# Altium PCB Shuttler_AMC.PcbDoc (part 2 of 12) (continued)
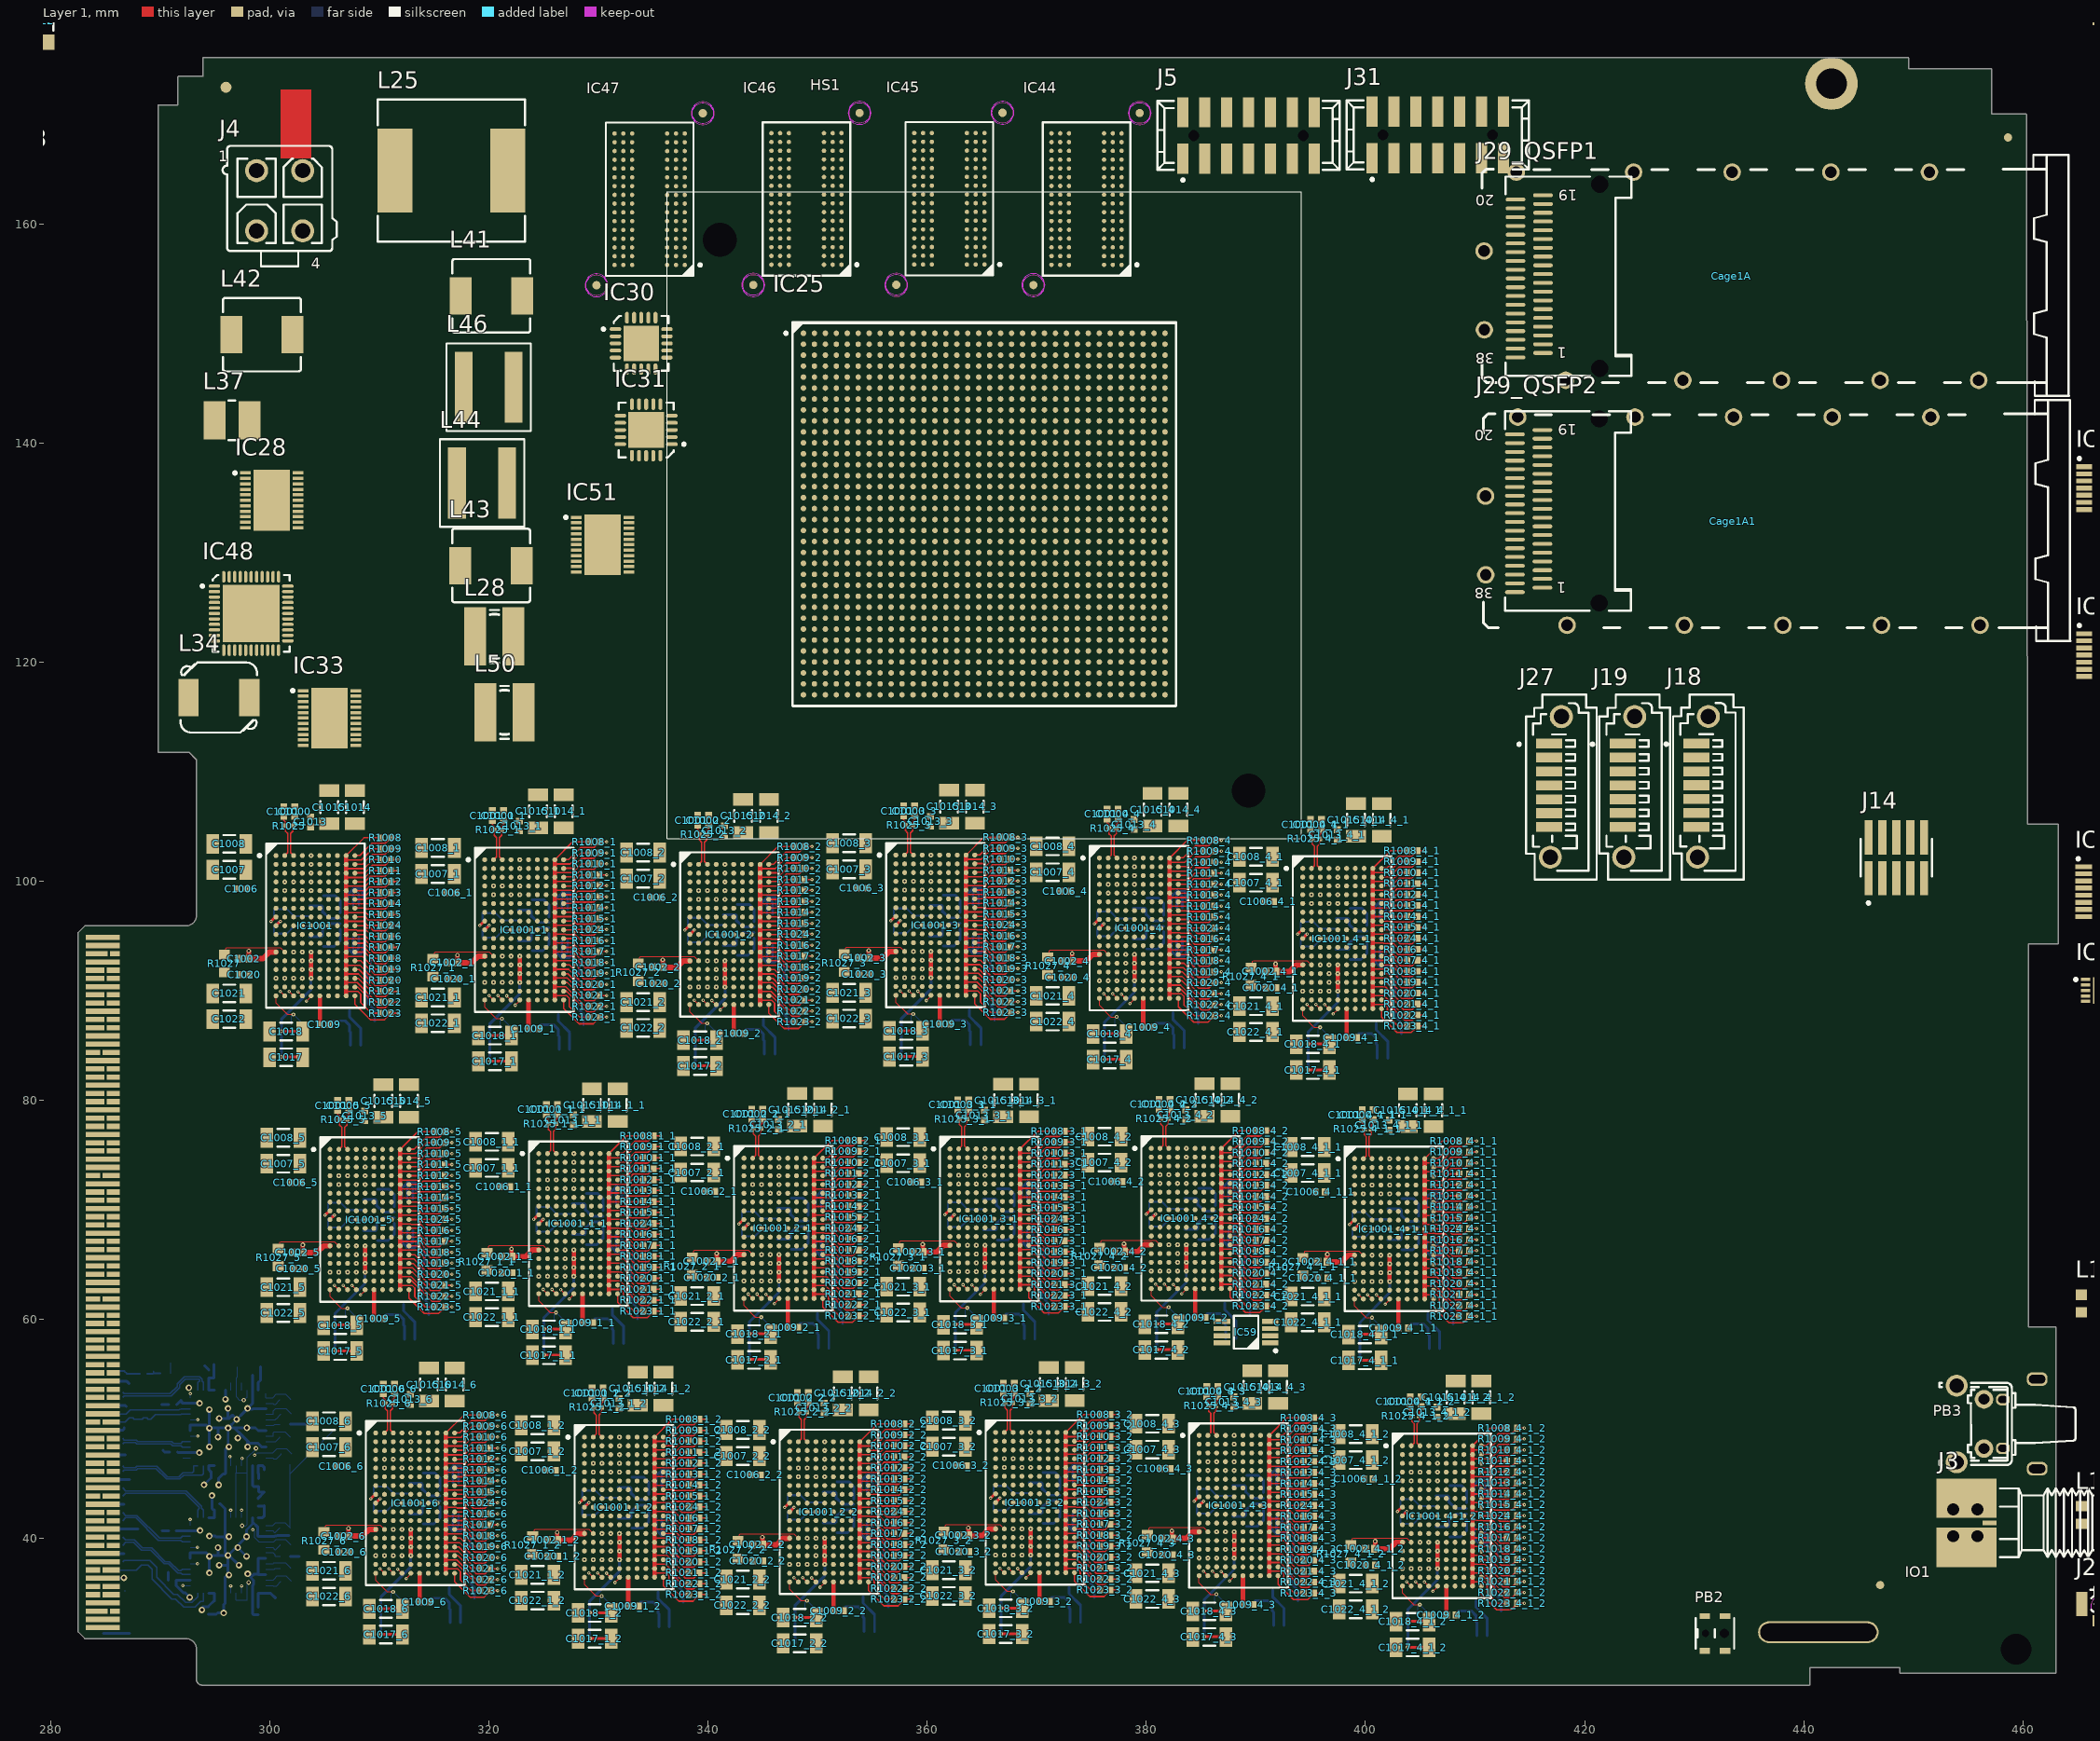
[diagram p0: Layer 1 view]
## Components (designator, comment, footprint, x,y, rotation, side; value= is the part's Value field where it differs from the comment)
C27 "Comment" CAPC0603X33N 298.801,54.909 r180 bottom
C28 "Comment" CAPC0603X33N 294.431,55.031 r90 bottom
C29 "Comment" CAPC0603X33N 291.139,52.237 r180 bottom
C30 "Comment" CAPC0603X33N 291.225,47.914 r180 bottom
C31 "Comment" CAPC0603X33N 294.982,45.526 r0 bottom
C32 "Comment" CAPC0603X33N 298.988,45.117 r270 bottom
C33 "Comment" CAPC0603X33N 298.932,43.304 r90 bottom
C34 "Comment" CAPC0603X33N 295.073,43.202 r0 bottom
C35 "Comment" CAPC0603X33N 291.117,40.725 r180 bottom
C36 "Comment" CAPC0603X33N 291.094,36.192 r180 bottom
C37 "Comment" CAPC0603X33N 298.957,33.407 r270 bottom
C38 "Comment" CAPC0603X33N 294.393,33.448 r270 bottom
C231 "Comment" CAPC0603X33N 288.474,55.067 r180 bottom
C1000 "100pF" CAPC1005X55N 302.275,106.372 r270 top
C1000_1 "100pF" CAPC1005X55N 321.325,105.997 r270 top (schematic designator C1000)
C1000_1_1 "100pF" CAPC1005X55N 326.256,79.175 r270 top (schematic designator C1000)
C1000_1_2 "100pF" CAPC1005X55N 330.425,53.297 r270 top (schematic designator C1000)
C1000_2 "100pF" CAPC1005X55N 340.05,105.572 r270 top (schematic designator C1000)
C1000_2_1 "100pF" CAPC1005X55N 344.981,78.75 r270 top (schematic designator C1000)
C1000_2_2 "100pF" CAPC1005X55N 349.15,52.872 r270 top (schematic designator C1000)
C1000_3 "100pF" CAPC1005X55N 358.85,106.422 r270 top (schematic designator C1000)
C1000_3_1 "100pF" CAPC1005X55N 363.781,79.6 r270 top (schematic designator C1000)
C1000_3_2 "100pF" CAPC1005X55N 367.95,53.722 r270 top (schematic designator C1000)
C1000_4 "100pF" CAPC1005X55N 377.425,106.147 r270 top (schematic designator C1000)
C1000_4_1 "100pF" CAPC1005X55N 395.981,105.2 r270 top (schematic designator C1000)
C1000_4_1_1 "100pF" CAPC1005X55N 400.712,78.7 r270 top (schematic designator C1000)
C1000_4_1_2 "100pF" CAPC1005X55N 405.081,52.5 r270 top (schematic designator C1000)
C1000_4_2 "100pF" CAPC1005X55N 382.156,79.647 r270 top (schematic designator C1000)
C1000_4_3 "100pF" CAPC1005X55N 386.525,53.447 r270 top (schematic designator C1000)
C1000_5 "100pF" CAPC1005X55N 307.206,79.55 r270 top (schematic designator C1000)
C1000_6 "100pF" CAPC1005X55N 311.375,53.672 r270 top (schematic designator C1000)
C1001 "100pF" CAPC1005X55N 301.275,106.372 r270 top
C1001_1 "100pF" CAPC1005X55N 320.325,105.997 r270 top (schematic designator C1001)
C1001_1_1 "100pF" CAPC1005X55N 325.256,79.175 r270 top (schematic designator C1001)
C1001_1_2 "100pF" CAPC1005X55N 329.425,53.297 r270 top (schematic designator C1001)
C1001_2 "100pF" CAPC1005X55N 339.05,105.572 r270 top (schematic designator C1001)
C1001_2_1 "100pF" CAPC1005X55N 343.981,78.75 r270 top (schematic designator C1001)
C1001_2_2 "100pF" CAPC1005X55N 348.15,52.872 r270 top (schematic designator C1001)
C1001_3 "100pF" CAPC1005X55N 357.85,106.422 r270 top (schematic designator C1001)
C1001_3_1 "100pF" CAPC1005X55N 362.781,79.6 r270 top (schematic designator C1001)
C1001_3_2 "100pF" CAPC1005X55N 366.95,53.722 r270 top (schematic designator C1001)
C1001_4 "100pF" CAPC1005X55N 376.425,106.147 r270 top (schematic designator C1001)
C1001_4_1 "100pF" CAPC1005X55N 394.981,105.2 r270 top (schematic designator C1001)
C1001_4_1_1 "100pF" CAPC1005X55N 399.712,78.7 r270 top (schematic designator C1001)
C1001_4_1_2 "100pF" CAPC1005X55N 404.081,52.5 r270 top (schematic designator C1001)
C1001_4_2 "100pF" CAPC1005X55N 381.156,79.647 r270 top (schematic designator C1001)
C1001_4_3 "100pF" CAPC1005X55N 385.525,53.447 r270 top (schematic designator C1001)
C1001_5 "100pF" CAPC1005X55N 306.206,79.55 r270 top (schematic designator C1001)
C1001_6 "100pF" CAPC1005X55N 310.375,53.672 r270 top (schematic designator C1001)
C1002 "10uF" CAPC1005X70N 297.625,92.947 r0 top
C1002_1 "10uF" CAPC1005X70N 316.675,92.572 r0 top (schematic designator C1002)
C1002_1_1 "10uF" CAPC1005X70N 321.606,65.75 r0 top (schematic designator C1002)
C1002_1_2 "10uF" CAPC1005X70N 325.775,39.872 r0 top (schematic designator C1002)
C1002_2 "10uF" CAPC1005X70N 335.4,92.147 r0 top (schematic designator C1002)
C1002_2_1 "10uF" CAPC1005X70N 340.331,65.325 r0 top (schematic designator C1002)
C1002_2_2 "10uF" CAPC1005X70N 344.5,39.447 r0 top (schematic designator C1002)
C1002_3 "10uF" CAPC1005X70N 354.2,92.997 r0 top (schematic designator C1002)
C1002_3_1 "10uF" CAPC1005X70N 359.131,66.175 r0 top (schematic designator C1002)
C1002_3_2 "10uF" CAPC1005X70N 363.3,40.297 r0 top (schematic designator C1002)
C1002_4 "10uF" CAPC1005X70N 372.775,92.722 r0 top (schematic designator C1002)
C1002_4_1 "10uF" CAPC1005X70N 391.331,91.775 r0 top (schematic designator C1002)
C1002_4_1_1 "10uF" CAPC1005X70N 396.062,65.275 r0 top (schematic designator C1002)
C1002_4_1_2 "10uF" CAPC1005X70N 400.431,39.075 r0 top (schematic designator C1002)
C1002_4_2 "10uF" CAPC1005X70N 377.506,66.222 r0 top (schematic designator C1002)
C1002_4_3 "10uF" CAPC1005X70N 381.875,40.022 r0 top (schematic designator C1002)
C1002_5 "10uF" CAPC1005X70N 302.556,66.125 r0 top (schematic designator C1002)
C1002_6 "10uF" CAPC1005X70N 306.725,40.247 r0 top (schematic designator C1002)
C1004 "2.2uF" CAPC1005X55N 300.15,99.922 r0 bottom
C1004_1 "2.2uF" CAPC1005X55N 319.2,99.547 r0 bottom (schematic designator C1004)
C1004_1_1 "2.2uF" CAPC1005X55N 324.131,72.725 r0 bottom (schematic designator C1004)
C1004_1_2 "2.2uF" CAPC1005X55N 328.3,46.847 r0 bottom (schematic designator C1004)
C1004_2 "2.2uF" CAPC1005X55N 337.925,99.122 r0 bottom (schematic designator C1004)
C1004_2_1 "2.2uF" CAPC1005X55N 342.856,72.3 r0 bottom (schematic designator C1004)
C1004_2_2 "2.2uF" CAPC1005X55N 347.025,46.422 r0 bottom (schematic designator C1004)
C1004_3 "2.2uF" CAPC1005X55N 356.725,99.972 r0 bottom (schematic designator C1004)
C1004_3_1 "2.2uF" CAPC1005X55N 361.656,73.15 r0 bottom (schematic designator C1004)
C1004_3_2 "2.2uF" CAPC1005X55N 365.825,47.272 r0 bottom (schematic designator C1004)
C1004_4 "2.2uF" CAPC1005X55N 375.3,99.697 r0 bottom (schematic designator C1004)
C1004_4_1 "2.2uF" CAPC1005X55N 393.856,98.75 r0 bottom (schematic designator C1004)
C1004_4_1_1 "2.2uF" CAPC1005X55N 398.587,72.25 r0 bottom (schematic designator C1004)
C1004_4_1_2 "2.2uF" CAPC1005X55N 402.956,46.05 r0 bottom (schematic designator C1004)
C1004_4_2 "2.2uF" CAPC1005X55N 380.031,73.197 r0 bottom (schematic designator C1004)
C1004_4_3 "2.2uF" CAPC1005X55N 384.4,46.997 r0 bottom (schematic designator C1004)
C1004_5 "2.2uF" CAPC1005X55N 305.081,73.1 r0 bottom (schematic designator C1004)
C1004_6 "2.2uF" CAPC1005X55N 309.25,47.222 r0 bottom (schematic designator C1004)
C1005 "2.2uF" CAPC1005X55N 301.182,101.099 r270 bottom
C1005_1 "2.2uF" CAPC1005X55N 320.232,100.724 r270 bottom (schematic designator C1005)
C1005_1_1 "2.2uF" CAPC1005X55N 325.163,73.902 r270 bottom (schematic designator C1005)
C1005_1_2 "2.2uF" CAPC1005X55N 329.332,48.024 r270 bottom (schematic designator C1005)
C1005_2 "2.2uF" CAPC1005X55N 338.957,100.299 r270 bottom (schematic designator C1005)
C1005_2_1 "2.2uF" CAPC1005X55N 343.888,73.477 r270 bottom (schematic designator C1005)
C1005_2_2 "2.2uF" CAPC1005X55N 348.057,47.599 r270 bottom (schematic designator C1005)
C1005_3 "2.2uF" CAPC1005X55N 357.757,101.149 r270 bottom (schematic designator C1005)
C1005_3_1 "2.2uF" CAPC1005X55N 362.688,74.327 r270 bottom (schematic designator C1005)
C1005_3_2 "2.2uF" CAPC1005X55N 366.857,48.449 r270 bottom (schematic designator C1005)
C1005_4 "2.2uF" CAPC1005X55N 376.332,100.874 r270 bottom (schematic designator C1005)
C1005_4_1 "2.2uF" CAPC1005X55N 394.888,99.927 r270 bottom (schematic designator C1005)
C1005_4_1_1 "2.2uF" CAPC1005X55N 399.619,73.427 r270 bottom (schematic designator C1005)
C1005_4_1_2 "2.2uF" CAPC1005X55N 403.988,47.227 r270 bottom (schematic designator C1005)
C1005_4_2 "2.2uF" CAPC1005X55N 381.063,74.374 r270 bottom (schematic designator C1005)
C1005_4_3 "2.2uF" CAPC1005X55N 385.432,48.174 r270 bottom (schematic designator C1005)
C1005_5 "2.2uF" CAPC1005X55N 306.113,74.277 r270 bottom (schematic designator C1005)
C1005_6 "2.2uF" CAPC1005X55N 310.282,48.399 r270 bottom (schematic designator C1005)
C1006 "2.2uF" CAPC1005X55N 297.45,99.328 r0 top
C1006_1 "2.2uF" CAPC1005X55N 316.5,98.953 r0 top (schematic designator C1006)
C1006_1_1 "2.2uF" CAPC1005X55N 321.431,72.131 r0 top (schematic designator C1006)
C1006_1_2 "2.2uF" CAPC1005X55N 325.6,46.253 r0 top (schematic designator C1006)
C1006_2 "2.2uF" CAPC1005X55N 335.225,98.528 r0 top (schematic designator C1006)
C1006_2_1 "2.2uF" CAPC1005X55N 340.156,71.706 r0 top (schematic designator C1006)
C1006_2_2 "2.2uF" CAPC1005X55N 344.325,45.828 r0 top (schematic designator C1006)
C1006_3 "2.2uF" CAPC1005X55N 354.025,99.378 r0 top (schematic designator C1006)
C1006_3_1 "2.2uF" CAPC1005X55N 358.956,72.556 r0 top (schematic designator C1006)
C1006_3_2 "2.2uF" CAPC1005X55N 363.125,46.678 r0 top (schematic designator C1006)
C1006_4 "2.2uF" CAPC1005X55N 372.6,99.103 r0 top (schematic designator C1006)
C1006_4_1 "2.2uF" CAPC1005X55N 391.156,98.156 r0 top (schematic designator C1006)
C1006_4_1_1 "2.2uF" CAPC1005X55N 395.887,71.656 r0 top (schematic designator C1006)
C1006_4_1_2 "2.2uF" CAPC1005X55N 400.256,45.456 r0 top (schematic designator C1006)
C1006_4_2 "2.2uF" CAPC1005X55N 377.331,72.603 r0 top (schematic designator C1006)
C1006_4_3 "2.2uF" CAPC1005X55N 381.7,46.403 r0 top (schematic designator C1006)
C1006_5 "2.2uF" CAPC1005X55N 302.381,72.506 r0 top (schematic designator C1006)
C1006_6 "2.2uF" CAPC1005X55N 306.55,46.628 r0 top (schematic designator C1006)
C1007 "100uF" CAPC3216X180N 296.3,101.047 r0 top
C1007_1 "100uF" CAPC3216X180N 315.35,100.672 r0 top (schematic designator C1007)
C1007_1_1 "100uF" CAPC3216X180N 320.281,73.85 r0 top (schematic designator C1007)
C1007_1_2 "100uF" CAPC3216X180N 324.45,47.972 r0 top (schematic designator C1007)
C1007_2 "100uF" CAPC3216X180N 334.075,100.247 r0 top (schematic designator C1007)
C1007_2_1 "100uF" CAPC3216X180N 339.006,73.425 r0 top (schematic designator C1007)
C1007_2_2 "100uF" CAPC3216X180N 343.175,47.547 r0 top (schematic designator C1007)
C1007_3 "100uF" CAPC3216X180N 352.875,101.097 r0 top (schematic designator C1007)
C1007_3_1 "100uF" CAPC3216X180N 357.806,74.275 r0 top (schematic designator C1007)
C1007_3_2 "100uF" CAPC3216X180N 361.975,48.397 r0 top (schematic designator C1007)
C1007_4 "100uF" CAPC3216X180N 371.45,100.822 r0 top (schematic designator C1007)
C1007_4_1 "100uF" CAPC3216X180N 390.006,99.875 r0 top (schematic designator C1007)
C1007_4_1_1 "100uF" CAPC3216X180N 394.737,73.375 r0 top (schematic designator C1007)
C1007_4_1_2 "100uF" CAPC3216X180N 399.106,47.175 r0 top (schematic designator C1007)
C1007_4_2 "100uF" CAPC3216X180N 376.181,74.322 r0 top (schematic designator C1007)
C1007_4_3 "100uF" CAPC3216X180N 380.55,48.122 r0 top (schematic designator C1007)
C1007_5 "100uF" CAPC3216X180N 301.231,74.225 r0 top (schematic designator C1007)
C1007_6 "100uF" CAPC3216X180N 305.4,48.347 r0 top (schematic designator C1007)
C1008 "100uF" CAPC3216X180N 296.3,103.422 r0 top
C1008_1 "100uF" CAPC3216X180N 315.35,103.047 r0 top (schematic designator C1008)
C1008_1_1 "100uF" CAPC3216X180N 320.281,76.225 r0 top (schematic designator C1008)
C1008_1_2 "100uF" CAPC3216X180N 324.45,50.347 r0 top (schematic designator C1008)
C1008_2 "100uF" CAPC3216X180N 334.075,102.622 r0 top (schematic designator C1008)
C1008_2_1 "100uF" CAPC3216X180N 339.006,75.8 r0 top (schematic designator C1008)
C1008_2_2 "100uF" CAPC3216X180N 343.175,49.922 r0 top (schematic designator C1008)
C1008_3 "100uF" CAPC3216X180N 352.875,103.472 r0 top (schematic designator C1008)
C1008_3_1 "100uF" CAPC3216X180N 357.806,76.65 r0 top (schematic designator C1008)
C1008_3_2 "100uF" CAPC3216X180N 361.975,50.772 r0 top (schematic designator C1008)
C1008_4 "100uF" CAPC3216X180N 371.45,103.197 r0 top (schematic designator C1008)
C1008_4_1 "100uF" CAPC3216X180N 390.006,102.25 r0 top (schematic designator C1008)
C1008_4_1_1 "100uF" CAPC3216X180N 394.737,75.75 r0 top (schematic designator C1008)
C1008_4_1_2 "100uF" CAPC3216X180N 399.106,49.55 r0 top (schematic designator C1008)
C1008_4_2 "100uF" CAPC3216X180N 376.181,76.697 r0 top (schematic designator C1008)
C1008_4_3 "100uF" CAPC3216X180N 380.55,50.497 r0 top (schematic designator C1008)
C1008_5 "100uF" CAPC3216X180N 301.231,76.6 r0 top (schematic designator C1008)
C1008_6 "100uF" CAPC3216X180N 305.4,50.722 r0 top (schematic designator C1008)
C1009 "2.2uF" CAPC1005X55N 305.025,86.922 r180 top
C1009_1 "2.2uF" CAPC1005X55N 324.075,86.547 r180 top (schematic designator C1009)
C1009_1_1 "2.2uF" CAPC1005X55N 329.006,59.725 r180 top (schematic designator C1009)
C1009_1_2 "2.2uF" CAPC1005X55N 333.175,33.847 r180 top (schematic designator C1009)
C1009_2 "2.2uF" CAPC1005X55N 342.8,86.122 r180 top (schematic designator C1009)
C1009_2_1 "2.2uF" CAPC1005X55N 347.731,59.3 r180 top (schematic designator C1009)
C1009_2_2 "2.2uF" CAPC1005X55N 351.9,33.422 r180 top (schematic designator C1009)
C1009_3 "2.2uF" CAPC1005X55N 361.6,86.972 r180 top (schematic designator C1009)
C1009_3_1 "2.2uF" CAPC1005X55N 366.531,60.15 r180 top (schematic designator C1009)
C1009_3_2 "2.2uF" CAPC1005X55N 370.7,34.272 r180 top (schematic designator C1009)
C1009_4 "2.2uF" CAPC1005X55N 380.175,86.697 r180 top (schematic designator C1009)
C1009_4_1 "2.2uF" CAPC1005X55N 398.731,85.75 r180 top (schematic designator C1009)
C1009_4_1_1 "2.2uF" CAPC1005X55N 403.462,59.25 r180 top (schematic designator C1009)
C1009_4_1_2 "2.2uF" CAPC1005X55N 407.831,33.05 r180 top (schematic designator C1009)
C1009_4_2 "2.2uF" CAPC1005X55N 384.906,60.197 r180 top (schematic designator C1009)
C1009_4_3 "2.2uF" CAPC1005X55N 389.275,33.997 r180 top (schematic designator C1009)
C1009_5 "2.2uF" CAPC1005X55N 309.956,60.1 r180 top (schematic designator C1009)
C1009_6 "2.2uF" CAPC1005X55N 314.125,34.222 r180 top (schematic designator C1009)
C1011 "2.2uF" CAPC1005X55N 304.9,99.947 r180 bottom
C1011_1 "2.2uF" CAPC1005X55N 323.95,99.572 r180 bottom (schematic designator C1011)
C1011_1_1 "2.2uF" CAPC1005X55N 328.881,72.75 r180 bottom (schematic designator C1011)
C1011_1_2 "2.2uF" CAPC1005X55N 333.05,46.872 r180 bottom (schematic designator C1011)
C1011_2 "2.2uF" CAPC1005X55N 342.675,99.147 r180 bottom (schematic designator C1011)
C1011_2_1 "2.2uF" CAPC1005X55N 347.606,72.325 r180 bottom (schematic designator C1011)
C1011_2_2 "2.2uF" CAPC1005X55N 351.775,46.447 r180 bottom (schematic designator C1011)
C1011_3 "2.2uF" CAPC1005X55N 361.475,99.997 r180 bottom (schematic designator C1011)
C1011_3_1 "2.2uF" CAPC1005X55N 366.406,73.175 r180 bottom (schematic designator C1011)
C1011_3_2 "2.2uF" CAPC1005X55N 370.575,47.297 r180 bottom (schematic designator C1011)
C1011_4 "2.2uF" CAPC1005X55N 380.05,99.722 r180 bottom (schematic designator C1011)
C1011_4_1 "2.2uF" CAPC1005X55N 398.606,98.775 r180 bottom (schematic designator C1011)
C1011_4_1_1 "2.2uF" CAPC1005X55N 403.337,72.275 r180 bottom (schematic designator C1011)
C1011_4_1_2 "2.2uF" CAPC1005X55N 407.706,46.075 r180 bottom (schematic designator C1011)
C1011_4_2 "2.2uF" CAPC1005X55N 384.781,73.222 r180 bottom (schematic designator C1011)
C1011_4_3 "2.2uF" CAPC1005X55N 389.15,47.022 r180 bottom (schematic designator C1011)
C1011_5 "2.2uF" CAPC1005X55N 309.831,73.125 r180 bottom (schematic designator C1011)
C1011_6 "2.2uF" CAPC1005X55N 314,47.247 r180 bottom (schematic designator C1011)
C1012 "2.2uF" CAPC1005X55N 304.9,101.547 r180 bottom
C1012_1 "2.2uF" CAPC1005X55N 323.95,101.172 r180 bottom (schematic designator C1012)
C1012_1_1 "2.2uF" CAPC1005X55N 328.881,74.35 r180 bottom (schematic designator C1012)
C1012_1_2 "2.2uF" CAPC1005X55N 333.05,48.472 r180 bottom (schematic designator C1012)
C1012_2 "2.2uF" CAPC1005X55N 342.675,100.747 r180 bottom (schematic designator C1012)
C1012_2_1 "2.2uF" CAPC1005X55N 347.606,73.925 r180 bottom (schematic designator C1012)
C1012_2_2 "2.2uF" CAPC1005X55N 351.775,48.047 r180 bottom (schematic designator C1012)
C1012_3 "2.2uF" CAPC1005X55N 361.475,101.597 r180 bottom (schematic designator C1012)
C1012_3_1 "2.2uF" CAPC1005X55N 366.406,74.775 r180 bottom (schematic designator C1012)
C1012_3_2 "2.2uF" CAPC1005X55N 370.575,48.897 r180 bottom (schematic designator C1012)
C1012_4 "2.2uF" CAPC1005X55N 380.05,101.322 r180 bottom (schematic designator C1012)
C1012_4_1 "2.2uF" CAPC1005X55N 398.606,100.375 r180 bottom (schematic designator C1012)
C1012_4_1_1 "2.2uF" CAPC1005X55N 403.337,73.875 r180 bottom (schematic designator C1012)
C1012_4_1_2 "2.2uF" CAPC1005X55N 407.706,47.675 r180 bottom (schematic designator C1012)
C1012_4_2 "2.2uF" CAPC1005X55N 384.781,74.822 r180 bottom (schematic designator C1012)
C1012_4_3 "2.2uF" CAPC1005X55N 389.15,48.622 r180 bottom (schematic designator C1012)
C1012_5 "2.2uF" CAPC1005X55N 309.831,74.725 r180 bottom (schematic designator C1012)
C1012_6 "2.2uF" CAPC1005X55N 314,48.847 r180 bottom (schematic designator C1012)
C1013 "2.2uF" CAPC1005X55N 303.731,105.422 r270 top
C1013_1 "2.2uF" CAPC1005X55N 322.781,105.047 r270 top (schematic designator C1013)
C1013_1_1 "2.2uF" CAPC1005X55N 327.712,78.225 r270 top (schematic designator C1013)
C1013_1_2 "2.2uF" CAPC1005X55N 331.881,52.347 r270 top (schematic designator C1013)
C1013_2 "2.2uF" CAPC1005X55N 341.506,104.622 r270 top (schematic designator C1013)
C1013_2_1 "2.2uF" CAPC1005X55N 346.437,77.8 r270 top (schematic designator C1013)
C1013_2_2 "2.2uF" CAPC1005X55N 350.606,51.922 r270 top (schematic designator C1013)
C1013_3 "2.2uF" CAPC1005X55N 360.306,105.472 r270 top (schematic designator C1013)
C1013_3_1 "2.2uF" CAPC1005X55N 365.237,78.65 r270 top (schematic designator C1013)
C1013_3_2 "2.2uF" CAPC1005X55N 369.406,52.772 r270 top (schematic designator C1013)
C1013_4 "2.2uF" CAPC1005X55N 378.881,105.197 r270 top (schematic designator C1013)
C1013_4_1 "2.2uF" CAPC1005X55N 397.437,104.25 r270 top (schematic designator C1013)
C1013_4_1_1 "2.2uF" CAPC1005X55N 402.168,77.75 r270 top (schematic designator C1013)
C1013_4_1_2 "2.2uF" CAPC1005X55N 406.537,51.55 r270 top (schematic designator C1013)
C1013_4_2 "2.2uF" CAPC1005X55N 383.612,78.697 r270 top (schematic designator C1013)
C1013_4_3 "2.2uF" CAPC1005X55N 387.981,52.497 r270 top (schematic designator C1013)
C1013_5 "2.2uF" CAPC1005X55N 308.662,78.6 r270 top (schematic designator C1013)
C1013_6 "2.2uF" CAPC1005X55N 312.831,52.722 r270 top (schematic designator C1013)
C1014 "100uF" CAPC3216X180N 307.775,106.772 r270 top
C1014_1 "100uF" CAPC3216X180N 326.825,106.397 r270 top (schematic designator C1014)
C1014_1_1 "100uF" CAPC3216X180N 331.756,79.575 r270 top (schematic designator C1014)
C1014_1_2 "100uF" CAPC3216X180N 335.925,53.697 r270 top (schematic designator C1014)
C1014_2 "100uF" CAPC3216X180N 345.55,105.972 r270 top (schematic designator C1014)
C1014_2_1 "100uF" CAPC3216X180N 350.481,79.15 r270 top (schematic designator C1014)
C1014_2_2 "100uF" CAPC3216X180N 354.65,53.272 r270 top (schematic designator C1014)
C1014_3 "100uF" CAPC3216X180N 364.35,106.822 r270 top (schematic designator C1014)
C1014_3_1 "100uF" CAPC3216X180N 369.281,80 r270 top (schematic designator C1014)
C1014_3_2 "100uF" CAPC3216X180N 373.45,54.122 r270 top (schematic designator C1014)
C1014_4 "100uF" CAPC3216X180N 382.925,106.547 r270 top (schematic designator C1014)
C1014_4_1 "100uF" CAPC3216X180N 401.481,105.6 r270 top (schematic designator C1014)
C1014_4_1_1 "100uF" CAPC3216X180N 406.212,79.1 r270 top (schematic designator C1014)
C1014_4_1_2 "100uF" CAPC3216X180N 410.581,52.9 r270 top (schematic designator C1014)
C1014_4_2 "100uF" CAPC3216X180N 387.656,80.047 r270 top (schematic designator C1014)
C1014_4_3 "100uF" CAPC3216X180N 392.025,53.847 r270 top (schematic designator C1014)
C1014_5 "100uF" CAPC3216X180N 312.706,79.95 r270 top (schematic designator C1014)
C1014_6 "100uF" CAPC3216X180N 316.875,54.072 r270 top (schematic designator C1014)
C1015 "100uF" CAPC3216X180N 305.431,106.772 r270 top
C1015_1 "100uF" CAPC3216X180N 324.481,106.397 r270 top (schematic designator C1015)
C1015_1_1 "100uF" CAPC3216X180N 329.412,79.575 r270 top (schematic designator C1015)
C1015_1_2 "100uF" CAPC3216X180N 333.581,53.697 r270 top (schematic designator C1015)
C1015_2 "100uF" CAPC3216X180N 343.206,105.972 r270 top (schematic designator C1015)
C1015_2_1 "100uF" CAPC3216X180N 348.137,79.15 r270 top (schematic designator C1015)
C1015_2_2 "100uF" CAPC3216X180N 352.306,53.272 r270 top (schematic designator C1015)
C1015_3 "100uF" CAPC3216X180N 362.006,106.822 r270 top (schematic designator C1015)
C1015_3_1 "100uF" CAPC3216X180N 366.937,80 r270 top (schematic designator C1015)
C1015_3_2 "100uF" CAPC3216X180N 371.106,54.122 r270 top (schematic designator C1015)
C1015_4 "100uF" CAPC3216X180N 380.581,106.547 r270 top (schematic designator C1015)
C1015_4_1 "100uF" CAPC3216X180N 399.137,105.6 r270 top (schematic designator C1015)
C1015_4_1_1 "100uF" CAPC3216X180N 403.868,79.1 r270 top (schematic designator C1015)
C1015_4_1_2 "100uF" CAPC3216X180N 408.237,52.9 r270 top (schematic designator C1015)
C1015_4_2 "100uF" CAPC3216X180N 385.312,80.047 r270 top (schematic designator C1015)
C1015_4_3 "100uF" CAPC3216X180N 389.681,53.847 r270 top (schematic designator C1015)
C1015_5 "100uF" CAPC3216X180N 310.362,79.95 r270 top (schematic designator C1015)
C1015_6 "100uF" CAPC3216X180N 314.531,54.072 r270 top (schematic designator C1015)
C1016 "2.2uF" CAPC1005X55N 304.85,92.722 r180 bottom
C1016_1 "2.2uF" CAPC1005X55N 323.9,92.347 r180 bottom (schematic designator C1016)
C1016_1_1 "2.2uF" CAPC1005X55N 328.831,65.525 r180 bottom (schematic designator C1016)
C1016_1_2 "2.2uF" CAPC1005X55N 333,39.647 r180 bottom (schematic designator C1016)
C1016_2 "2.2uF" CAPC1005X55N 342.625,91.922 r180 bottom (schematic designator C1016)
C1016_2_1 "2.2uF" CAPC1005X55N 347.556,65.1 r180 bottom (schematic designator C1016)
C1016_2_2 "2.2uF" CAPC1005X55N 351.725,39.222 r180 bottom (schematic designator C1016)
C1016_3 "2.2uF" CAPC1005X55N 361.425,92.772 r180 bottom (schematic designator C1016)
C1016_3_1 "2.2uF" CAPC1005X55N 366.356,65.95 r180 bottom (schematic designator C1016)
C1016_3_2 "2.2uF" CAPC1005X55N 370.525,40.072 r180 bottom (schematic designator C1016)
C1016_4 "2.2uF" CAPC1005X55N 380,92.497 r180 bottom (schematic designator C1016)
C1016_4_1 "2.2uF" CAPC1005X55N 398.556,91.55 r180 bottom (schematic designator C1016)
C1016_4_1_1 "2.2uF" CAPC1005X55N 403.287,65.05 r180 bottom (schematic designator C1016)
C1016_4_1_2 "2.2uF" CAPC1005X55N 407.656,38.85 r180 bottom (schematic designator C1016)
C1016_4_2 "2.2uF" CAPC1005X55N 384.731,65.997 r180 bottom (schematic designator C1016)
C1016_4_3 "2.2uF" CAPC1005X55N 389.1,39.797 r180 bottom (schematic designator C1016)
C1016_5 "2.2uF" CAPC1005X55N 309.781,65.9 r180 bottom (schematic designator C1016)
C1016_6 "2.2uF" CAPC1005X55N 313.95,40.022 r180 bottom (schematic designator C1016)
C1017 "100uF" CAPC3216X180N 301.5,83.947 r0 top
C1017_1 "100uF" CAPC3216X180N 320.55,83.572 r0 top (schematic designator C1017)
C1017_1_1 "100uF" CAPC3216X180N 325.481,56.75 r0 top (schematic designator C1017)
C1017_1_2 "100uF" CAPC3216X180N 329.65,30.872 r0 top (schematic designator C1017)
C1017_2 "100uF" CAPC3216X180N 339.275,83.147 r0 top (schematic designator C1017)
C1017_2_1 "100uF" CAPC3216X180N 344.206,56.325 r0 top (schematic designator C1017)
C1017_2_2 "100uF" CAPC3216X180N 348.375,30.447 r0 top (schematic designator C1017)
C1017_3 "100uF" CAPC3216X180N 358.075,83.997 r0 top (schematic designator C1017)
C1017_3_1 "100uF" CAPC3216X180N 363.006,57.175 r0 top (schematic designator C1017)
C1017_3_2 "100uF" CAPC3216X180N 367.175,31.297 r0 top (schematic designator C1017)
C1017_4 "100uF" CAPC3216X180N 376.65,83.722 r0 top (schematic designator C1017)
C1017_4_1 "100uF" CAPC3216X180N 395.206,82.775 r0 top (schematic designator C1017)
C1017_4_1_1 "100uF" CAPC3216X180N 399.937,56.275 r0 top (schematic designator C1017)
C1017_4_1_2 "100uF" CAPC3216X180N 404.306,30.075 r0 top (schematic designator C1017)
C1017_4_2 "100uF" CAPC3216X180N 381.381,57.222 r0 top (schematic designator C1017)
C1017_4_3 "100uF" CAPC3216X180N 385.75,31.022 r0 top (schematic designator C1017)
C1017_5 "100uF" CAPC3216X180N 306.431,57.125 r0 top (schematic designator C1017)
C1017_6 "100uF" CAPC3216X180N 310.6,31.247 r0 top (schematic designator C1017)
C1018 "100uF" CAPC3216X180N 301.5,86.297 r0 top
C1018_1 "100uF" CAPC3216X180N 320.55,85.922 r0 top (schematic designator C1018)
C1018_1_1 "100uF" CAPC3216X180N 325.481,59.1 r0 top (schematic designator C1018)
C1018_1_2 "100uF" CAPC3216X180N 329.65,33.222 r0 top (schematic designator C1018)
C1018_2 "100uF" CAPC3216X180N 339.275,85.497 r0 top (schematic designator C1018)
C1018_2_1 "100uF" CAPC3216X180N 344.206,58.675 r0 top (schematic designator C1018)
C1018_2_2 "100uF" CAPC3216X180N 348.375,32.797 r0 top (schematic designator C1018)
C1018_3 "100uF" CAPC3216X180N 358.075,86.347 r0 top (schematic designator C1018)
C1018_3_1 "100uF" CAPC3216X180N 363.006,59.525 r0 top (schematic designator C1018)
C1018_3_2 "100uF" CAPC3216X180N 367.175,33.647 r0 top (schematic designator C1018)
C1018_4 "100uF" CAPC3216X180N 376.65,86.072 r0 top (schematic designator C1018)
C1018_4_1 "100uF" CAPC3216X180N 395.206,85.125 r0 top (schematic designator C1018)
C1018_4_1_1 "100uF" CAPC3216X180N 399.937,58.625 r0 top (schematic designator C1018)
C1018_4_1_2 "100uF" CAPC3216X180N 404.306,32.425 r0 top (schematic designator C1018)
C1018_4_2 "100uF" CAPC3216X180N 381.381,59.572 r0 top (schematic designator C1018)
C1018_4_3 "100uF" CAPC3216X180N 385.75,33.372 r0 top (schematic designator C1018)
C1018_5 "100uF" CAPC3216X180N 306.431,59.475 r0 top (schematic designator C1018)
C1018_6 "100uF" CAPC3216X180N 310.6,33.597 r0 top (schematic designator C1018)
C1019 "2.2uF" CAPC1005X55N 301.369,92.365 r270 bottom
C1019_1 "2.2uF" CAPC1005X55N 320.419,91.99 r270 bottom (schematic designator C1019)
C1019_1_1 "2.2uF" CAPC1005X55N 325.35,65.168 r270 bottom (schematic designator C1019)
C1019_1_2 "2.2uF" CAPC1005X55N 329.519,39.29 r270 bottom (schematic designator C1019)
C1019_2 "2.2uF" CAPC1005X55N 339.144,91.565 r270 bottom (schematic designator C1019)
C1019_2_1 "2.2uF" CAPC1005X55N 344.075,64.743 r270 bottom (schematic designator C1019)
C1019_2_2 "2.2uF" CAPC1005X55N 348.244,38.865 r270 bottom (schematic designator C1019)
C1019_3 "2.2uF" CAPC1005X55N 357.944,92.415 r270 bottom (schematic designator C1019)
C1019_3_1 "2.2uF" CAPC1005X55N 362.875,65.593 r270 bottom (schematic designator C1019)
C1019_3_2 "2.2uF" CAPC1005X55N 367.044,39.715 r270 bottom (schematic designator C1019)
C1019_4 "2.2uF" CAPC1005X55N 376.519,92.14 r270 bottom (schematic designator C1019)
C1019_4_1 "2.2uF" CAPC1005X55N 395.075,91.193 r270 bottom (schematic designator C1019)
C1019_4_1_1 "2.2uF" CAPC1005X55N 399.806,64.693 r270 bottom (schematic designator C1019)
C1019_4_1_2 "2.2uF" CAPC1005X55N 404.175,38.493 r270 bottom (schematic designator C1019)
C1019_4_2 "2.2uF" CAPC1005X55N 381.25,65.64 r270 bottom (schematic designator C1019)
C1019_4_3 "2.2uF" CAPC1005X55N 385.619,39.44 r270 bottom (schematic designator C1019)
C1019_5 "2.2uF" CAPC1005X55N 306.3,65.543 r270 bottom (schematic designator C1019)
C1019_6 "2.2uF" CAPC1005X55N 310.469,39.665 r270 bottom (schematic designator C1019)
C1020 "2.2uF" CAPC1005X55N 297.675,91.472 r0 top
C1020_1 "2.2uF" CAPC1005X55N 316.725,91.097 r0 top (schematic designator C1020)
C1020_1_1 "2.2uF" CAPC1005X55N 321.656,64.275 r0 top (schematic designator C1020)
C1020_1_2 "2.2uF" CAPC1005X55N 325.825,38.397 r0 top (schematic designator C1020)
C1020_2 "2.2uF" CAPC1005X55N 335.45,90.672 r0 top (schematic designator C1020)
C1020_2_1 "2.2uF" CAPC1005X55N 340.381,63.85 r0 top (schematic designator C1020)
C1020_2_2 "2.2uF" CAPC1005X55N 344.55,37.972 r0 top (schematic designator C1020)
C1020_3 "2.2uF" CAPC1005X55N 354.25,91.522 r0 top (schematic designator C1020)
C1020_3_1 "2.2uF" CAPC1005X55N 359.181,64.7 r0 top (schematic designator C1020)
C1020_3_2 "2.2uF" CAPC1005X55N 363.35,38.822 r0 top (schematic designator C1020)
C1020_4 "2.2uF" CAPC1005X55N 372.825,91.247 r0 top (schematic designator C1020)
C1020_4_1 "2.2uF" CAPC1005X55N 391.381,90.3 r0 top (schematic designator C1020)
C1020_4_1_1 "2.2uF" CAPC1005X55N 396.112,63.8 r0 top (schematic designator C1020)
C1020_4_1_2 "2.2uF" CAPC1005X55N 400.481,37.6 r0 top (schematic designator C1020)
C1020_4_2 "2.2uF" CAPC1005X55N 377.556,64.747 r0 top (schematic designator C1020)
C1020_4_3 "2.2uF" CAPC1005X55N 381.925,38.547 r0 top (schematic designator C1020)
C1020_5 "2.2uF" CAPC1005X55N 302.606,64.65 r0 top (schematic designator C1020)
C1020_6 "2.2uF" CAPC1005X55N 306.775,38.772 r0 top (schematic designator C1020)